# Altium PCB PCB1.PcbDoc (part 2 of 5) (continued)
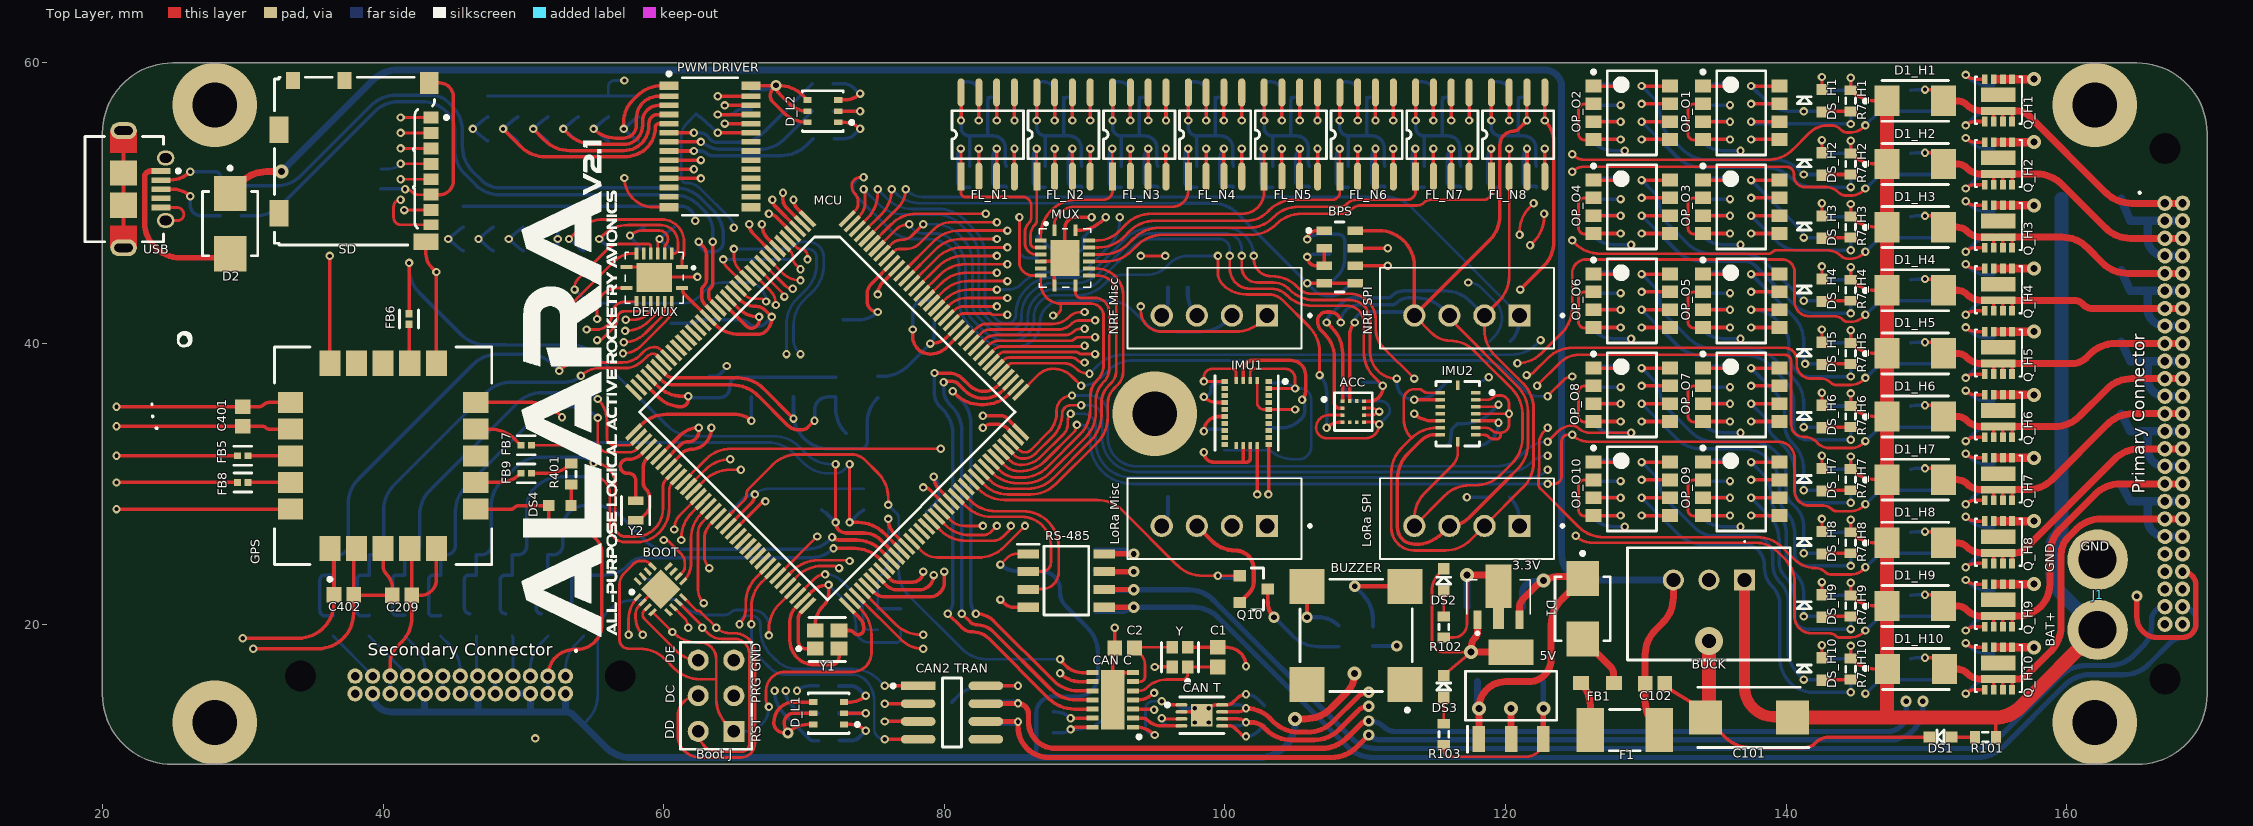
[diagram p0: Top Layer view]
## Nets (pads, with @x,y where several pads share a name; then routed paths per layer and width w, separated by ;. In a path a pad name is that pad's centre, name@x,y a point inside that pad or via, vN(x,y) a via of type N, cw(c..) or ccw(c..) an arc to the next point about the centre after c; other vN are vias at no path point) (continued)
  Top Layer w0.3: v3(109.25,22.7) BUZZER.2@112.85,22.7
  Top Layer w0.5: v2(117.25,23.5) 119.5,23.5 3.3V.4@119.5,22.7 3.3V.2@119.5,20.4
  Bottom Layer w0.2: C210.2@39.85,52.45 40.375,52.45 ccw(c40.375,53.688) v1(41.25,52.812) ; RH_J14.1@47.45,57.65 RH_J13.1@49.6,57.65 RH_J12.1@51.75,57.65 RH_J11.1@53.9,57.65 RH_J10.1@56.05,57.65 ; v1(57.2,58.75) 56.5,58.75 ccw(c56.5,58.3) 56.05,58.3 RH_J10.1@56.05,57.65 ; RH_J9.1@58.2,57.65 58.1,57.65 RH_J10.1@56.05,57.65 ; v1(66.5,29.25) cw(c67.466,28.284) 67.466,29.65 R303.1@71.25,29.65 R304.2@74.25,29.65 ; v1(71.5,23.55) 71.564,23.55 cw(c71.564,22.014) 72.65,23.1 73.705,22.045 cw(c72.51,20.85) 74.2,20.85 74.2,20 ccw(c74.6,20) 74.6,19.6 R104.1@75.25,19.6 ; C_N1.1@83.1,57.55 C_N1.1@83.35,57.55 ; C_N2.1@88.5,57.55 C_N2.1@88.75,57.55 ; v1(89,12.5) 89.548,12.5 ccw(c89.548,15.04) 91.344,13.244 C3.2@92,13.9 ; C_N3.1@93.9,57.55 C_N3.1@94.15,57.55 ; C_N4.1@99.3,57.55 C_N4.1@99.55,57.55 ; R405.1@99.95,32.4 102.859,32.4 ccw(c102.859,32.741) R406.2@103.1,32.5 103.106,32.494 ccw(c104.902,34.29) 104.902,31.75 105.25,31.75 ccw(c105.25,32.65) 106.15,32.65 106.15,36 ccw(c105.35,36) 105.35,36.8 v1(105,36.8) ccw(c104.034,35.834) 104.034,37.2 C405.2@103.1,37.2 ; C_N5.1@104.7,57.55 C_N5.1@104.95,57.55 ; R403.1@108.35,37.25 108.6,36.9 108.7,36.275 109.192,35.906 109.2,35.9 111.1,35.9 cw(c111.1,35.25) 111.75,35.25 cw(c111.146,35.25) 111.573,34.823 v1(111,34.25) ; C_N6.1@110.1,57.55 C_N6.1@110.35,57.55 ; C_N7.1@115.5,57.55 C_N7.1@115.75,57.55 ; R408.1@117.35,37.3 118.076,37.3 ccw(c118.076,38.324) v1(118.8,37.6) ; v1(117.35,44.35) cw(c117.35,43.022) 118.289,43.961 119.29,42.96 cw(c118.181,41.85) 119.75,41.85 cw(c117.819,41.85) 119.184,40.484 R603.1@118.85,40.15 ; C_N8.1@120.9,57.55 C_N8.1@121.15,57.55
  Bottom Layer w0.25: RH_J8.1@45.7,49.8 RH_J7.1@47.85,49.8 RH_J6.1@50,49.8 RH_J5.1@52.15,49.8 RH_J4.1@54.3,49.8 RH_J3.1@56.45,49.8 RH_J2.1@58.6,49.8 RH_J1.1@60.75,49.8 61.2,49.8 cw(c61.2,48.75) v1(62.25,48.75) ; v1(57.2,58.75) v1@57.267,58.683 ; RH_J9.1@58.1,57.65 RH_J9.1@58.2,57.65 ; C502.1@60.55,41.45 62.059,41.45 ccw(c62.059,41.791) 62.3,41.55 cw(c62.662,41.188) 62.662,41.7 C202.2@64.3,41.7 65.376,41.7 cw(c65.376,40.676) 66.1,41.4 ccw(c66.462,41.762) 66.462,41.25 66.8,41.25 ccw(c66.8,41.854) 67.227,41.427 v1(67.7,41.9) ; C203.2@64.75,28 65.646,28.896 cw(c66.5,28.043) v1(66.5,29.25) ; C503.1@66.25,58.1 67.276,58.1 ccw(c67.276,59.124) v3(68,58.4) ; C201.2@72.8,41.7 73.922,41.7 ccw(c73.922,43.578) v1(75.25,42.25) ; FB2.2@75.25,37.675 75.623,37.675 ccw(c75.623,40.215) 77.419,38.419 v1(79,40) ccw(c78.276,40.724) 79.3,40.724 C205.2@79.3,41.7 ; v1(75.75,13.065) 78.15,13.065 C302.2@78.15,13 ; C204.2@78.75,28 79.317,28.567 ccw(c78.634,29.25) 79.6,29.25 79.6,29.655 ccw(c78.405,29.655) v1(79.25,30.5) ; R3_N1.1@81.2,57.15 81.2,55.9 v1(81.19,55.9) 81.19,55.41 ccw(c81.8,55.41) 81.8,54.8 ; R1_N1.1@81.8,52.65 81.8,54.8 ; C_N1.1@83.35,57.55 ccw(c83.35,57.3) 83.1,57.3 83.1,54.8 ; R2_N1.1@84.4,52.65 84.355,52.875 84.355,53.9 84.355,53.945 ccw(c83.5,53.945) 83.5,54.8 83.1,54.8 ; R3_N2.1@86.6,57.15 86.6,55.9 v1(86.59,55.9) 86.59,55.41 ccw(c87.2,55.41) 87.2,54.8 ; R501.1@86.637,47.6 cw(c86.637,47.328) 86.83,47.52 87.45,46.9 ccw(c88.174,47.624) 88.174,46.6 89.6,46.6 ccw(c89.6,46.9) 89.9,46.9 C501.1@89.9,47.55 90.3,47.975 v1(91.5,49) ; R1_N2.1@87.2,52.65 87.2,54.8 ; R2.2@87.75,12.25 88.396,12.25 ccw(c88.396,13.104) v1(89,12.5) ; C_N2.1@88.75,57.55 ccw(c88.75,57.3) 88.5,57.3 88.5,54.8 ; R2_N2.1@89.8,52.65 89.755,52.875 89.755,53.9 89.755,53.945 ccw(c88.9,53.945) 88.9,54.8 88.5,54.8 ; R3_N3.1@92,57.15 92,55.9 v1(91.99,55.9) 91.99,55.41 ccw(c92.6,55.41) 92.6,54.8 ; R1_N3.1@92.6,52.65 92.6,54.8 ; C_N3.1@94.15,57.55 ccw(c94.15,57.3) 93.9,57.3 93.9,54.8 ; R2_N3.1@95.2,52.65 95.155,52.875 95.155,53.9 95.155,53.945 ccw(c94.3,53.945) 94.3,54.8 93.9,54.8 ; R3_N4.1@97.4,57.15 97.4,55.9 v1(97.39,55.9) 97.39,55.41 ccw(c98,55.41) 98,54.8 ; R1_N4.1@98,52.65 98,54.8 ; C_N4.1@99.55,57.55 ccw(c99.55,57.3) 99.3,57.3 99.3,54.8 ; R2_N4.1@100.6,52.65 100.555,52.875 100.555,53.9 100.555,53.945 ccw(c99.7,53.945) 99.7,54.8 99.3,54.8 ; v1(101.5,12) ccw(c101.5,13.207) 102.354,12.354 C4.2@102.8,12.8 ; R3_N5.1@102.8,57.15 102.8,55.9 v1(102.79,55.9) 102.79,55.41 ccw(c103.4,55.41) 103.4,54.8 ; R1_N5.1@103.4,52.65 103.4,54.8 ; C_N5.1@104.95,57.55 ccw(c104.95,57.3) 104.7,57.3 104.7,54.8 ; v1(105.875,47.425) cw(c106.72,46.58) 106.72,47.775 C403.2@107.475,47.775 108.125,47.775 cw(c108.125,47.375) 108.525,47.375 108.525,45.975 cw(c106.956,45.975) 108.065,44.865 R402.1@107.475,44.275 ; R2_N5.1@106,52.65 105.955,52.875 105.955,53.9 105.955,53.945 ccw(c105.1,53.945) 105.1,54.8 104.7,54.8 ; R3_N6.1@108.2,57.15 108.2,55.9 v1(108.19,55.9) 108.19,55.41 ccw(c108.8,55.41) 108.8,54.8 ; R1_N6.1@108.8,52.65 108.8,54.8 ; C_N6.1@110.35,57.55 ccw(c110.35,57.3) 110.1,57.3 110.1,54.8 ; R2_N6.1@111.4,52.65 111.355,52.875 111.355,53.9 111.355,53.945 ccw(c110.5,53.945) 110.5,54.8 110.1,54.8 ; R3_N7.1@113.6,57.15 113.6,55.9 v1(113.59,55.9) 113.59,55.41 ccw(c114.2,55.41) 114.2,54.8 ; R1_N7.1@114.2,52.65 114.2,54.8 ; C_N7.1@115.75,57.55 ccw(c115.75,57.3) 115.5,57.3 115.5,54.8 ; R407.1@115.85,32.7 116.075,33.025 116.175,33.9 C407.2@116.6,34.3 117.098,34.3 ccw(c117.098,36.84) 118.894,35.044 v1(119.5,35.65) ; R2_N7.1@116.8,52.65 116.755,52.875 116.755,53.9 116.755,53.945 ccw(c115.9,53.945) 115.9,54.8 115.5,54.8 ; v1(117.25,29.05) R604.1@118.8,29.05 ; R3_N8.1@119,57.15 119,55.9 v1(118.99,55.9) 118.99,55.41 ccw(c119.6,55.41) 119.6,54.8 ; R1_N8.1@119.6,52.65 119.6,54.8 ; C_N8.1@121.15,57.55 ccw(c121.15,57.3) 120.9,57.3 120.9,54.8 ; R2_N8.1@122.2,52.65 122.155,52.875 122.155,53.9 122.155,53.945 ccw(c121.3,53.945) 121.3,54.8 120.9,54.8 ; 81.8,54.8 83.1,54.8 ; 87.2,54.8 88.5,54.8 ; 92.6,54.8 93.9,54.8 ; 98,54.8 99.3,54.8 ; 103.4,54.8 104.7,54.8 ; 108.8,54.8 110.1,54.8 ; 114.2,54.8 115.5,54.8 ; 119.6,54.8 120.9,54.8
  Bottom Layer w0.3: 95.5,27 ccw(c94.414,28.086) 95.95,28.086 C602.2@95.95,29.05 ; 95.5,42 ccw(c94.414,43.086) 95.95,43.086 C603.2@95.95,44 ; v3(109.25,22.7) 109.806,22.144 cw(c108.01,20.348) 110.55,20.348 C601.2@110.55,19.85
  Bottom Layer w0.5: v2(117.25,23.5) 117.25,21.25 C104.2@117.3,21.25
5V: 5V.3 "CAN T.3" "Secondary Connector.14" "Secondary Connector.16" "Secondary Connector.17" "Secondary Connector.19" "Secondary Connector.20" "Secondary Connector.22" "Secondary Connector.23" "Secondary Connector.25" C5.2 C106.2 C301.2 C604.2 R103.2 R106.1 RS-485.1 | length 160.5
  Top Layer w0.2: v1(84,24.25) 84.5,24.75 cw(c85.14,24.11) 85.14,25.015 RS-485.1@85.988,25.015 ; v1(95.5,13.3) ccw(c95.621,13.421) 95.621,13.25 96.9,13.25 ; R103.2@115.6,11.4 115.6,10.95 ccw(c116,10.95) 116,10.55 121.45,10.55 ccw(c121.45,11.8) 5V.3@122.7,11.8
  Top Layer w0.4: 5V.3@122.7,11.8 v2(122.7,14)
  Top Layer w0.5: v2(105,13.25) 105.748,13.25 ccw(c105.748,15.79) 107.544,13.994 108.684,15.134 ccw(c107.319,16.5) v2(109.25,16.5)
  Top Middle Layer w0.3: v1(95.5,13.3) 97.256,15.056 cw(c99.052,13.26) 99.052,15.8 101.398,15.8 cw(c101.398,13.26) 103.194,15.056 v2(105,13.25)
  Top Middle Layer w0.5: v2(109.25,16.5) 119.148,16.5 cw(c119.148,13.96) 120.944,15.756 v2(122.7,14)
  Bottom Layer w0.2: C604.2@54.245,12.845 54.556,13.156 ccw(c52.76,14.952) 55.3,14.952 55.3,19.16 cw(c57.84,19.16) 57.84,21.7 R106.1@58.55,21.7 ; v1(95.5,13.3) ccw(c96,13.3) 96,12.8 C5.2@96.775,12.8
  Bottom Layer w0.3: v1(84,24.25) ccw(c85.086,25.336) 85.086,23.8 C301.2@85.95,23.8 ccw(c86,23.8) 86,23.75 86.95,23.75 cw(c86.95,22.45) 88.25,22.45 88.25,22.25 ccw(c89.578,22.25) 88.639,21.311 90.206,19.744 cw(c88.41,17.948) 90.95,17.948 90.95,16.3 cw(c89.5,16.3) 89.5,14.85 87.75,14.85 ccw(c87.75,13.65) 86.55,13.65 86.55,10.497
  Bottom Layer w0.4: C106.2@122.65,15.9 122.7,15.9 v2(122.7,14)
  Bottom Layer w0.5: 39.25,15.05 ccw(c40.55,15.05) 40.55,13.75 42.95,13.75 ; 41.75,15.05 43,15.05 ccw(c43,15) 42.95,15 42.95,13.75 ; 45.5,15.05 46.75,15.05 46.75,13.8 ccw(c46.8,13.8) 46.8,13.75 ; 49.25,15.05 50.5,15.05 50.5,13.75 ; 53,15.05 53,13.75 ; v2(105,13.25) 105,13.037 cw(c102.46,13.037) 102.46,10.497 86.55,10.497 65.35,10.497 65.35,10.5 57.642,10.5 cw(c57.642,13.04) 55.846,11.244 C604.2@54.245,12.845 53.58,13.51 ccw(c53,12.929) 53,13.75 ; 42.95,13.75 46.8,13.75 ; 46.8,13.75 50.5,13.75 ; 50.5,13.75 53,13.75
"ACC CSN": ACC.10 MCU.137 R403.2 | length 56
  Top Layer w0.2: MCU.137@75.553,46.425 76.194,47.066 cw(c77,46.261) 77,47.4 ccw(c77,48.366) 77.683,47.683 v1(78.5,48.5) ; v1(100.35,46.25) 100.35,45.35 ccw(c101.8,45.35) 101.8,43.9 103.305,43.9 cw(c103.305,42.343) 104.406,43.444 ccw(c106.202,45.24) 106.202,42.7 108.7,42.7 cw(c108.7,41.5) 109.9,41.5 109.9,39.402 ccw(c112.44,39.402) 110.644,37.606 v1(111.25,37)
  Top Layer w0.254: ACC.10@109.912,35.9 110.346,35.9 ccw(c110.346,36.754) 110.95,36.15 ccw(c110.226,36.874) 111.25,36.874 v1(111.25,37)
  Bottom Layer w0.2: v1(78.5,48.5) 79.31,48.5 cw(c79.31,46.11) 81,47.8 81.256,47.544 cw(c79.46,45.748) 82,45.748 82,42.9 ccw(c83.404,42.9) 82.411,41.908 83.009,41.309 83.158,41.161 ccw(c84.388,42.386) 84.388,40.65 84.5,40.65 ccw(c84.5,42.05) 84.574,40.652 cw(c84.587,40.452) 84.595,40.652 ccw(c84.699,43.099) 84.699,40.65 84.725,40.65 ccw(c84.725,41.825) 84.73,40.65 ccw(c84.74,43.04) 84.74,40.65 84.923,40.65 ccw(c84.923,41.677) 85.95,41.677 85.95,41.9 cw(c87.881,41.9) 86.516,43.266 86.6,43.35 cw(c87.898,42.052) 87.898,43.887 89.625,43.887 ccw(c89.625,45.925) 91.066,44.484 93.52,46.938 cw(c94.752,45.71) 93.627,47.037 cw(c93.756,46.884) 93.639,47.046 cw(c94.9,45.277) 94.9,47.45 99.688,47.45 cw(c99.687,47.25) 99.714,47.448 cw(c99.606,46.712) 100.35,46.712 v1(100.35,46.25)
  Bottom Layer w0.254: R403.2@109.85,37.25 110.646,37.25 cw(c110.646,36.396) v1(111.25,37)
"ACC TRIG": ACC.4 MCU.138 | length 51.4
  Top Layer w0.2: MCU.138@75.2,46.779 76.512,48.091 cw(c77.5,47.102) v1(77.5,48.5) ; v1(99.5,46.25) 99.5,45.045 ccw(c100.695,45.045) 99.85,44.2 ccw(c101.54,45.89) 101.54,43.5 103.134,43.5 cw(c103.134,42.134) 104.1,43.1 106.006,41.194 cw(c104.21,39.398) 106.75,39.398 v1(106.75,37.75)
  Top Layer w0.254: v1(107.25,34) cw(c108.216,33.034) 108.216,34.4 ACC.4@108.387,34.4
  Bottom Layer w0.2: v1(77.5,48.5) ccw(c77.621,48.5) 77.535,48.415 77.85,48.1 ccw(c78.454,48.704) 78.454,47.85 79.322,47.85 cw(c79.322,45.972) 80.65,47.3 80.756,47.194 cw(c78.96,45.398) 81.5,45.398 81.5,42.95 ccw(c83.311,42.95) 82.03,41.67 82.756,40.944 ccw(c84.552,42.74) 84.552,40.2 84.85,40.2 ccw(c84.85,41.75) 86.4,41.75 86.4,42 cw(c87.728,42) 86.789,42.939 86.9,43.05 cw(c87.866,42.084) 87.866,43.45 89.548,43.45 ccw(c89.548,45.99) 91.344,44.194 91.55,44.4 cw(c92.757,43.193) 92.757,44.9 94.45,44.9 ccw(c94.45,46.831) 95.816,45.466 96.05,45.7 cw(c97.378,44.372) 97.378,46.25 v1(99.5,46.25)
  Bottom Layer w0.254: v1(106.75,37.75) cw(c105.543,36.543) 107.25,36.543 v1(107.25,34)
ADDR0: DEMUX.4 RH_J1.2 RL_J1.1 | length 3.8
  Top Layer w0.2: DEMUX.4@59.575,46.425 59.575,47.148 cw(c60.002,47.148) v1(59.7,47.45)
  Bottom Layer w0.254: RL_J1.1@60.75,46.6 60.427,46.823 v1(59.7,47.45) 60.427,48.077 RH_J1.2@60.75,48.3
ADDR1: DEMUX.3 RH_J2.2 RL_J2.1 | length 7.7
  Top Layer w0.2: v1(57.6,47.7) cw(c58.445,46.855) 58.445,48.05 59.7,48.05 cw(c59.7,47.45) 60.3,47.45 60.3,47.41 cw(c59.803,47.41) 60.154,47.058 cw(c59.7,47.45) 60.131,47.032 ccw(c60.275,46.894) 60.075,46.895 DEMUX.3@60.075,46.425
  Bottom Layer w0.254: RL_J2.1@58.277,46.823 v1(57.6,47.7) RH_J2.2@58.277,48.077 ; RL_J2.1@58.277,46.823 RL_J2.1@58.6,46.6 RL_J2.1@58.277,46.823 ; RH_J2.2@58.277,48.077 RH_J2.2@58.6,48.3 RH_J2.2@58.277,48.077
ADDR2: DEMUX.2 RH_J3.2 RL_J3.1 | length 10.4
  Top Layer w0.2: v1(55.4,47.45) 55.656,47.706 cw(c57.452,45.91) 57.452,48.45 59.75,48.45 cw(c59.75,47.184) 61.016,47.184 61.016,46.723 cw(c60.718,46.723) 60.718,46.425 DEMUX.2@60.575,46.425
  Bottom Layer w0.254: RL_J3.1@56.45,46.6 56.127,46.823 v1(55.4,47.45) 56.127,48.077 RH_J3.2@56.45,48.3
ADDR3: DEMUX.1 RH_J4.2 RL_J4.1 | length 14.1
  Top Layer w0.2: v1(53.25,47.45) 53.906,48.106 cw(c55.702,46.31) 55.702,48.85 59.85,48.85 cw(c59.85,47.25) 61.45,47.25 61.45,46.371 cw(c61.279,46.371) 61.4,46.25 ccw(c61.641,46.009) 61.3,46.009 DEMUX.1@61.3,45.45
  Bottom Layer w0.254: RL_J4.1@54.3,46.6 53.977,46.823 v1(53.25,47.45) 53.977,48.077 RH_J4.2@54.3,48.3
ADDR4: DEMUX.15 RH_J5.2 RL_J5.1 | length 22.3
  Top Layer w0.2: v1(57.1,39.3) ccw(c57.1,41.111) 58.38,39.83 60.2,41.65 ccw(c59.295,42.555) 60.575,42.555 DEMUX.15@60.575,42.975
  Top Middle Layer w0.2: v1(52.45,47.45) ccw(c53.2,47.45) 53.2,46.7 56.785,46.7 cw(c56.785,44.16) 59.325,44.16 59.325,41.55 cw(c57.454,41.55) 58.777,40.227 58.38,39.83 cw(c57.1,41.111) v1(57.1,39.3)
  Bottom Layer w0.254: RL_J5.1@52.15,46.6 52.227,46.6 52.45,46.823 v1(52.45,47.45) 52.45,48.077 52.227,48.3 RH_J5.2@52.15,48.3
ADDR5: DEMUX.14 RH_J6.2 RL_J6.1 | length 23.7
  Top Layer w0.2: v1(57.15,40.1) ccw(c57.15,42.273) 58.686,40.736 59.8,41.85 ccw(c59.136,42.514) 60.075,42.514 DEMUX.14@60.075,42.975
  Top Middle Layer w0.2: v1(48.95,47.45) ccw(c50.1,47.45) 50.1,46.3 56.16,46.3 cw(c56.16,43.76) 58.7,43.76 58.7,41.5 cw(c57.3,41.5) 57.3,40.1 v1(57.15,40.1)
  Bottom Layer w0.254: RL_J6.1@50,46.6 49.677,46.823 v1(48.95,47.45) 49.677,48.077 RH_J6.2@50,48.3
ADDR6: DEMUX.13 RH_J7.2 RL_J7.1 | length 23.1
  Top Layer w0.2: v1(57.25,40.9) ccw(c57.25,43.314) 58.957,41.607 59.35,42 ccw(c58.807,42.543) 59.575,42.543 DEMUX.13@59.575,42.975
  Top Middle Layer w0.2: v1(46.8,47.45) ccw(c48.35,47.45) 48.35,45.9 55.71,45.9 cw(c55.71,43.36) 58.25,43.36 58.25,41.7 cw(c57.45,41.7) 57.45,40.9 v1(57.25,40.9)
  Bottom Layer w0.254: RL_J7.1@47.85,46.6 47.527,46.823 v1(46.8,47.45) 47.527,48.077 RH_J7.2@47.85,48.3
ADDR7: DEMUX.12 RH_J8.2 RL_J8.1 | length 22
  Top Layer w0.2: v1(57.3,41.7) 57.884,41.7 ccw(c57.884,43.066) 58.85,42.1 ccw(c58.307,42.643) 59.075,42.643 DEMUX.12@59.075,42.975
  Top Middle Layer w0.2: v1(44.65,47.45) ccw(c46.6,47.45) 46.6,45.5 55.2,45.5 cw(c55.2,43.4) 57.3,43.4 v1(57.3,41.7)
  Bottom Layer w0.254: RL_J8.1@45.7,46.6 45.377,46.823 v1(44.65,47.45) 45.377,48.077 RH_J8.2@45.7,48.3
ADDR8: "PWM DRIVER.1" RH_J9.2 RL_J9.1 | length 7.8
  Top Layer w0.25: v1(57.15,55.3) 57.15,55.781 cw(c59.369,55.781) 57.8,57.35 58.081,57.631 cw(c59.877,55.835) 59.877,58.375 60.375,58.375
  Bottom Layer w0.254: RL_J9.1@58.2,54.45 57.877,54.673 v1(57.15,55.3) 57.877,55.927 RH_J9.2@58.2,56.15
ADDR9: "PWM DRIVER.2" RH_J10.2 RL_J10.1 | length 10.2
  Top Layer w0.25: v1(55,55.3) ccw(c56.569,56.869) 56.569,54.65 57.15,54.65 ccw(c57.15,55.55) 58.05,55.55 58.05,56.05 cw(c59.625,56.05) 59.625,57.625 60.375,57.625
  Bottom Layer w0.254: RL_J10.1@56.05,54.45 55.727,54.673 v1(55,55.3) 55.727,55.927 RH_J10.2@56.05,56.15
ADDR10: "PWM DRIVER.3" RH_J11.2 RL_J11.1 | length 12.3
  Top Layer w0.25: v1(52.85,55.3) 53.206,54.944 ccw(c55.002,56.74) 55.002,54.2 57.15,54.2 ccw(c57.15,55.55) 58.5,55.55 58.5,55.85 cw(c59.625,55.85) 59.625,56.975 60.375,56.975
  Bottom Layer w0.254: RL_J11.1@53.9,54.45 53.577,54.673 v1(52.85,55.3) 53.577,55.927 RH_J11.2@53.9,56.15
ADDR11: "PWM DRIVER.4" RH_J12.2 RL_J12.1 | length 14.4
  Top Layer w0.25: v1(50.7,55.3) 51.506,54.494 ccw(c53.302,56.29) 53.302,53.75 57.15,53.75 ccw(c57.15,55.55) 58.95,55.55 58.95,55.7 cw(c59.575,55.7) 59.575,56.325 60.375,56.325
  Bottom Layer w0.254: RL_J12.1@51.75,54.45 51.427,54.673 v1(50.7,55.3) 51.427,55.927 RH_J12.2@51.75,56.15
ADDR12: "PWM DRIVER.5" RH_J13.2 RL_J13.1 | length 16.6
  Top Layer w0.25: v1(48.55,55.3) 49.806,54.044 ccw(c51.602,55.84) 51.602,53.3 57.15,53.3 ccw(c57.15,55.55) 57.845,53.41 cw(c57.923,53.173) 57.86,53.414 ccw(c57.35,55.4) 59.4,55.4 cw(c59.675,55.4) 59.675,55.675 60.375,55.675
  Bottom Layer w0.254: RL_J13.1@49.6,54.45 49.277,54.673 v1(48.55,55.3) 49.277,55.927 RH_J13.2@49.6,56.15
ADDR13: "PWM DRIVER.24" RH_J14.2 RL_J14.1 | length 22.9
  Top Layer w0.25: v1@64.25,55.675 66.225,55.675
  Top Middle Layer w0.25: v1(46.4,55.3) 46.506,55.406 cw(c48.302,53.61) 48.302,56.15 62.426,56.15 cw(c62.426,55.126) 63.15,55.85 ccw(c63.572,56.272) 63.572,55.675 v1@64.25,55.675
  Bottom Layer w0.254: RL_J14.1@47.45,54.45 47.127,54.673 v1(46.4,55.3) 47.127,55.927 RH_J14.2@47.45,56.15
  other v1: 64.35,55.675
"ADDR IN": DEMUX.5 MCU.15 | length 25.1
  Top Layer w0.2: v1(53.65,43.85) 53.65,43.986 cw(c54.589,43.986) 53.925,44.65 55.975,46.7 cw(c56.941,45.734) 56.941,47.1 58.9,47.1 cw(c58.9,46.925) 59.075,46.925 DEMUX.5@59.075,46.425 ; MCU.15@65.3,43.95 65.839,43.412 ccw(c66.35,43.923) 66.35,43.2 66.817,43.2 cw(c66.817,42.517) v1(67.3,43)
  Bottom Layer w0.2: v1(53.65,43.85) 53.881,43.619 ccw(c55.677,45.415) 55.677,42.875 61.4,42.875 ccw(c61.4,44.399) 62.477,43.321 63.051,43.895 cw(c64.15,42.795) 64.15,44.35 65.95,44.35 cw(c65.95,43) v1(67.3,43)
"ADDR OEN": DEMUX.7 MCU.9 R502.2 | length 35.5
  Top Layer w0.2: v1(53.4,42.1) cw(c55.09,42.1) 53.895,43.295 56.45,45.85 cw(c57.838,44.462) 57.838,46.425 DEMUX.7@58.075,46.425 ; MCU.9@67.422,46.072 68.458,45.035 ccw(c69.75,46.327) v1(69.75,44.5)
  Top Middle Layer w0.2: v1(53.4,42.1) 53.4,40.352 ccw(c55.94,40.352) 54.144,38.556 54.856,37.844 ccw(c56.652,39.64) 56.652,37.1 57.798,37.1 ccw(c57.798,39.64) 59.594,37.844 60.15,38.4 cw(c61.599,36.951) 61.599,39 66.5,39 ccw(c66.5,41.49) 67.595,39.254 cw(c67.682,39.073) 67.602,39.257 ccw(c66.598,41.59) 68.394,39.794 69.384,40.784 ccw(c68.019,42.15) 69.95,42.15 69.95,44.017 ccw(c69.267,44.017) v1(69.75,44.5)
  Bottom Layer w0.2: R502.2@53.4,40.8 v1(53.4,42.1)
"ADDR S0": DEMUX.11 MCU.12 | length 24.4
  Top Layer w0.2: v1(55.25,40.25) ccw(c55.25,40.974) 55.762,40.462 56.417,41.117 ccw(c55.734,41.8) 56.7,41.8 cw(c57.2,41.8) 57.2,42.3 58.3,42.3 ccw(c58.3,42.575) 58.575,42.575 DEMUX.11@58.575,42.975 ; MCU.12@66.361,45.011 67.56,43.812 cw(c66.499,42.75) v1(68,42.75)
  Top Middle Layer w0.2: v1(55.25,40.25) 55.25,40.2 ccw(c57.1,40.2) 57.1,38.35 57.298,38.35 ccw(c57.298,40.89) 59.094,39.094 59.456,39.456 cw(c61.252,37.66) 61.252,40.2 66.364,40.2 ccw(c66.364,41.736) 67.45,40.65 68.138,41.338 ccw(c67.626,41.85) 68.35,41.85 68.35,41.905 ccw(c67.155,41.905) v1(68,42.75)
"ADDR S1": DEMUX.10 MCU.11 | length 26.9
  Top Layer w0.2: v1(54.5,41) 55.25,41 ccw(c55.25,42.05) 56.3,42.05 cw(c57.225,42.05) 57.225,42.975 DEMUX.10@58.075,42.975 ; MCU.11@66.714,45.364 68.509,43.57 cw(c68.289,43.35) v1(68.6,43.35)
  Top Middle Layer w0.2: v1(54.5,41) 54.5,40.502 ccw(c57.04,40.502) 55.244,38.706 55.256,38.694 ccw(c57.052,40.49) 57.052,37.95 57.464,37.95 ccw(c57.464,40.49) 59.26,38.694 59.483,38.917 59.738,39.172 cw(c61.252,37.66) 59.787,39.22 cw(c59.923,39.074) 59.796,39.228 cw(c61.402,37.26) 61.402,39.8 66.5,39.8 ccw(c66.5,41.49) 67.695,40.295 68.405,41.005 ccw(c67.21,42.2) 68.9,42.2 68.9,42.626 ccw(c67.876,42.626) v1(68.6,43.35)
"ADDR S2": DEMUX.9 MCU.10 | length 29.7
  Top Layer w0.2: v1(55.25,41.75) 55.25,42.5 cw(c56.7,42.5) 56.7,43.95 DEMUX.9@57.35,43.95 ; MCU.10@67.068,45.718 68.664,44.122 ccw(c69.2,44.658) v1(69.2,43.9)
  Top Middle Layer w0.2: v1(55.25,41.75) 54.65,41.75 ccw(c54.65,41) 53.9,41 53.9,40.452 ccw(c56.44,40.452) 54.644,38.656 55.1,38.2 ccw(c56.669,39.769) 56.669,37.55 57.55,37.55 ccw(c57.55,40.085) 58.622,37.788 cw(c58.704,37.605) 58.624,37.789 ccw(c57.464,40.49) 59.541,38.409 59.787,38.656 cw(c61.583,36.86) 61.583,39.4 66.5,39.4 ccw(c66.5,41.49) 67.914,39.951 cw(c68.049,39.803) 67.928,39.962 ccw(c66.398,41.99) 68.194,40.194 68.955,40.955 ccw(c67.76,42.15) 69.45,42.15 69.45,43.296 ccw(c68.596,43.296) v1(69.2,43.9)
AIN1: C_F1.2 MCU.81 R1_F1.2 R2_F1.1 | length 27.7
  Top Layer w0.25: v1(72.1,25.4) 73.606,25.4 cw(c73.606,22.86) 75.402,24.656 MCU.81@75.907,24.151
  Bottom Layer w0.25: 53.825,20.75 cw(c53.825,21.125) 53.45,21.125 53.45,23.15 cw(c53.8,23.15) 53.8,23.5 C_F1.2@54.3,23.5 ; R2_F1.1@54.3,24.95 C_F1.2@54.3,23.5 ; v1(72.1,25.4) cw(c70.531,26.969) 70.531,24.75 58.566,24.75 ccw(c58.566,23.384) 57.6,24.35 57.445,24.195 cw(c55.767,25.873) 55.767,23.5 C_F1.2@54.3,23.5
AIN2: C_F2.2 MCU.82 R1_F2.2 R2_F2.1 | length 34.1
  Top Layer w0.254: v1(72,26.2) ccw(c72.483,26.683) 72.483,26 73.713,26 cw(c73.713,23.46) 75.509,25.256 MCU.82@76.26,24.505
  Bottom Layer w0.25: 51.275,20.75 cw(c51.275,21.125) 50.9,21.125 50.9,23.15 cw(c51.25,23.15) 51.25,23.5 C_F2.2@51.75,23.5 R2_F2.1@51.75,24.95 52.15,24.95 ccw(c52.15,25.6) 52.8,25.6 52.8,26.85 cw(c54.4,26.85) 54.4,28.45 55.148,28.45 cw(c55.148,25.91) 56.944,27.706 58.805,25.845 ccw(c60,27.04) 60,25.35 70.25,25.35
  Bottom Layer w0.254: 70.25,25.35 ccw(c70.25,27.523) 71.786,25.986 v1(72,26.2)
AIN3: C_F3.2 MCU.46 R1_F3.2 R2_F3.1 | length 28.2
  Top Layer w0.2: v1(55,30.5) cw(c55,29.35) 56.15,29.35 56.15,26.95 ccw(c57.25,26.95) 57.25,25.85 58.1,25.85 ccw(c58.1,28.016) 59.632,26.485 59.724,26.576 ccw(c57.86,28.302) 60.4,28.302 60.4,29.6 cw(c61.022,29.6) 60.582,30.04 MCU.46@61.058,30.515
  Bottom Layer w0.25: 48.725,20.75 cw(c48.725,21.125) 48.35,21.125 48.35,23.15 cw(c48.7,23.15) 48.7,23.5 C_F3.2@49.2,23.5 R2_F3.1@49.2,24.95 49.6,24.95 ccw(c49.6,25.6) 50.25,25.6 50.25,28.372 cw(c52.128,28.372) 50.8,29.7 50.856,29.756 cw(c52.652,27.96) 52.652,30.5 v1(55,30.5)
AIN4: C_F4.2 MCU.45 R1_F4.2 R2_F4.1 | length 31.9
  Top Layer w0.2: v1(55,31.5) cw(c55,29.95) 56.55,29.95 56.55,26.95 ccw(c57.25,26.95) 57.25,26.25 58.022,26.25 ccw(c58.022,28.128) 59.35,26.8 ccw(c57.901,28.249) 59.95,28.249 59.95,29.8 cw(c60.71,29.8) 60.173,30.337 MCU.45@60.704,30.869
  Bottom Layer w0.25: 46.175,20.75 cw(c46.175,21.125) 45.8,21.125 45.8,23.2 cw(c46.1,23.2) 46.1,23.5 C_F4.2@46.65,23.5 R2_F4.1@46.65,24.95 47.05,24.95 ccw(c47.05,25.6) 47.7,25.6 47.7,28.398 cw(c50.24,28.398) 48.444,30.194 49.406,31.156 cw(c51.202,29.36) 51.202,31.9 54.034,31.9 cw(c54.034,30.534) v1(55,31.5)
AIN5: C_F5.2 MCU.39 R1_F5.2 R2_F5.1 | length 29.2
  Top Layer w0.2: v1(55.3,34.7) 55.3,32.966 ccw(c56.016,32.966) 56.016,32.25 57.55,32.25 ccw(c57.55,32.957) 58.05,32.457 MCU.39@58.583,32.99
  Bottom Layer w0.25: R1_F5.2@44.1,20.65 cw(c44.05,20.65) 44.05,20.6 43.5,20.6 cw(c43.5,20.85) 43.25,20.85 43.25,23.15 cw(c43.6,23.15) 43.6,23.5 C_F5.2@44.1,23.5 R2_F5.1@44.1,24.95 44.5,24.95 ccw(c44.5,25.6) 45.15,25.6 45.15,27.998 cw(c47.69,27.998) 45.894,29.794 51,34.9 cw(c52.449,33.451) 52.449,35.5 53.448,35.5 cw(c53.448,32.96) 55.244,34.756 v1(55.3,34.7)
AIN6: C_F6.2 MCU.38 R1_F6.2 R2_F6.1 | length 32
  Top Layer w0.2: v1(55.3,36.05) 55.314,36.036 cw(c53.777,34.5) 55.95,34.5 55.95,33.3 ccw(c56.5,33.3) 56.5,32.75 57.5,32.75 ccw(c57.5,33.077) 57.731,32.846 MCU.38@58.229,33.344
  Bottom Layer w0.25: R1_F6.2@41.55,20.65 40.9,20.65 cw(c40.9,20.85) 40.7,20.85 40.7,23.25 cw(c40.95,23.25) 40.95,23.5 C_F6.2@41.55,23.5 R2_F6.1@41.55,24.95 41.95,24.95 ccw(c41.95,25.6) 42.6,25.6 42.6,27.748 cw(c45.14,27.748) 43.344,29.544 49.556,35.756 cw(c51.352,33.96) 51.352,36.5 54.214,36.5 cw(c54.214,34.964) v1(55.3,36.05) v1@55.245,36.05
AIN7: C_F7.2 MCU.30 R1_F7.2 R2_F7.1 | length 34.8
  Top Layer w0.2: v1(54.1,37.7) cw(c55.428,36.372) 55.428,38.25 57.248,38.25 ccw(c57.248,39.945) 58.446,38.746 ccw(c57.181,40.569) 58.75,39 58.848,39.098 cw(c59.275,38.671) 59.275,39.275 cw(c59.275,39.048) 59.435,39.209 ; 59.435,39.209 MCU.30@59.997,38.647
  Bottom Layer w0.25: R1_F7.2@39,20.65 cw(c38.95,20.65) 38.95,20.6 38.4,20.6 cw(c38.4,20.85) 38.15,20.85 38.15,23.2 cw(c38.45,23.2) 38.45,23.5 C_F7.2@39,23.5 R2_F7.1@39,24.95 39.4,24.95 ccw(c39.4,25.6) 40.05,25.6 40.05,28.148 cw(c42.59,28.148) 40.794,29.944 47.356,36.506 cw(c49.152,34.71) 49.152,37.25 53.014,37.25 ccw(c53.014,38.786) v1(54.1,37.7)
AIN8: C_F8.2 MCU.29 R1_F8.2 R2_F8.1 | length 39.2
  Top Layer w0.2: v1(52.55,38.05) cw(c53.999,36.601) 53.999,38.65 57.05,38.65 ccw(c57.05,40.461) 58.33,39.18 58.582,39.432 cw(c59.35,38.664) 59.35,39.75 cw(c59.35,39.144) 59.779,39.572 MCU.29@60.351,39.001
  Bottom Layer w0.25: R1_F8.2@36.45,20.65 cw(c36.4,20.65) 36.4,20.6 35.85,20.6 cw(c35.85,20.95) 35.5,20.95 35.5,23.15 cw(c35.85,23.15) 35.85,23.5 C_F8.2@36.45,23.5 R2_F8.1@36.45,24.95 36.85,24.95 ccw(c36.85,25.6) 37.5,25.6 37.5,28.548 cw(c40.04,28.548) 38.244,30.344 46.406,38.506 cw(c48.202,36.71) 48.202,39.25 50.298,39.25 cw(c50.298,36.71) 52.094,38.506 v1(52.55,38.05)